# Altium PCB TAUV-Interfacer (DESKTOP-2772EO1's conflicted copy 2019-07-07).PcbDoc (part 1 of 3) (continued)
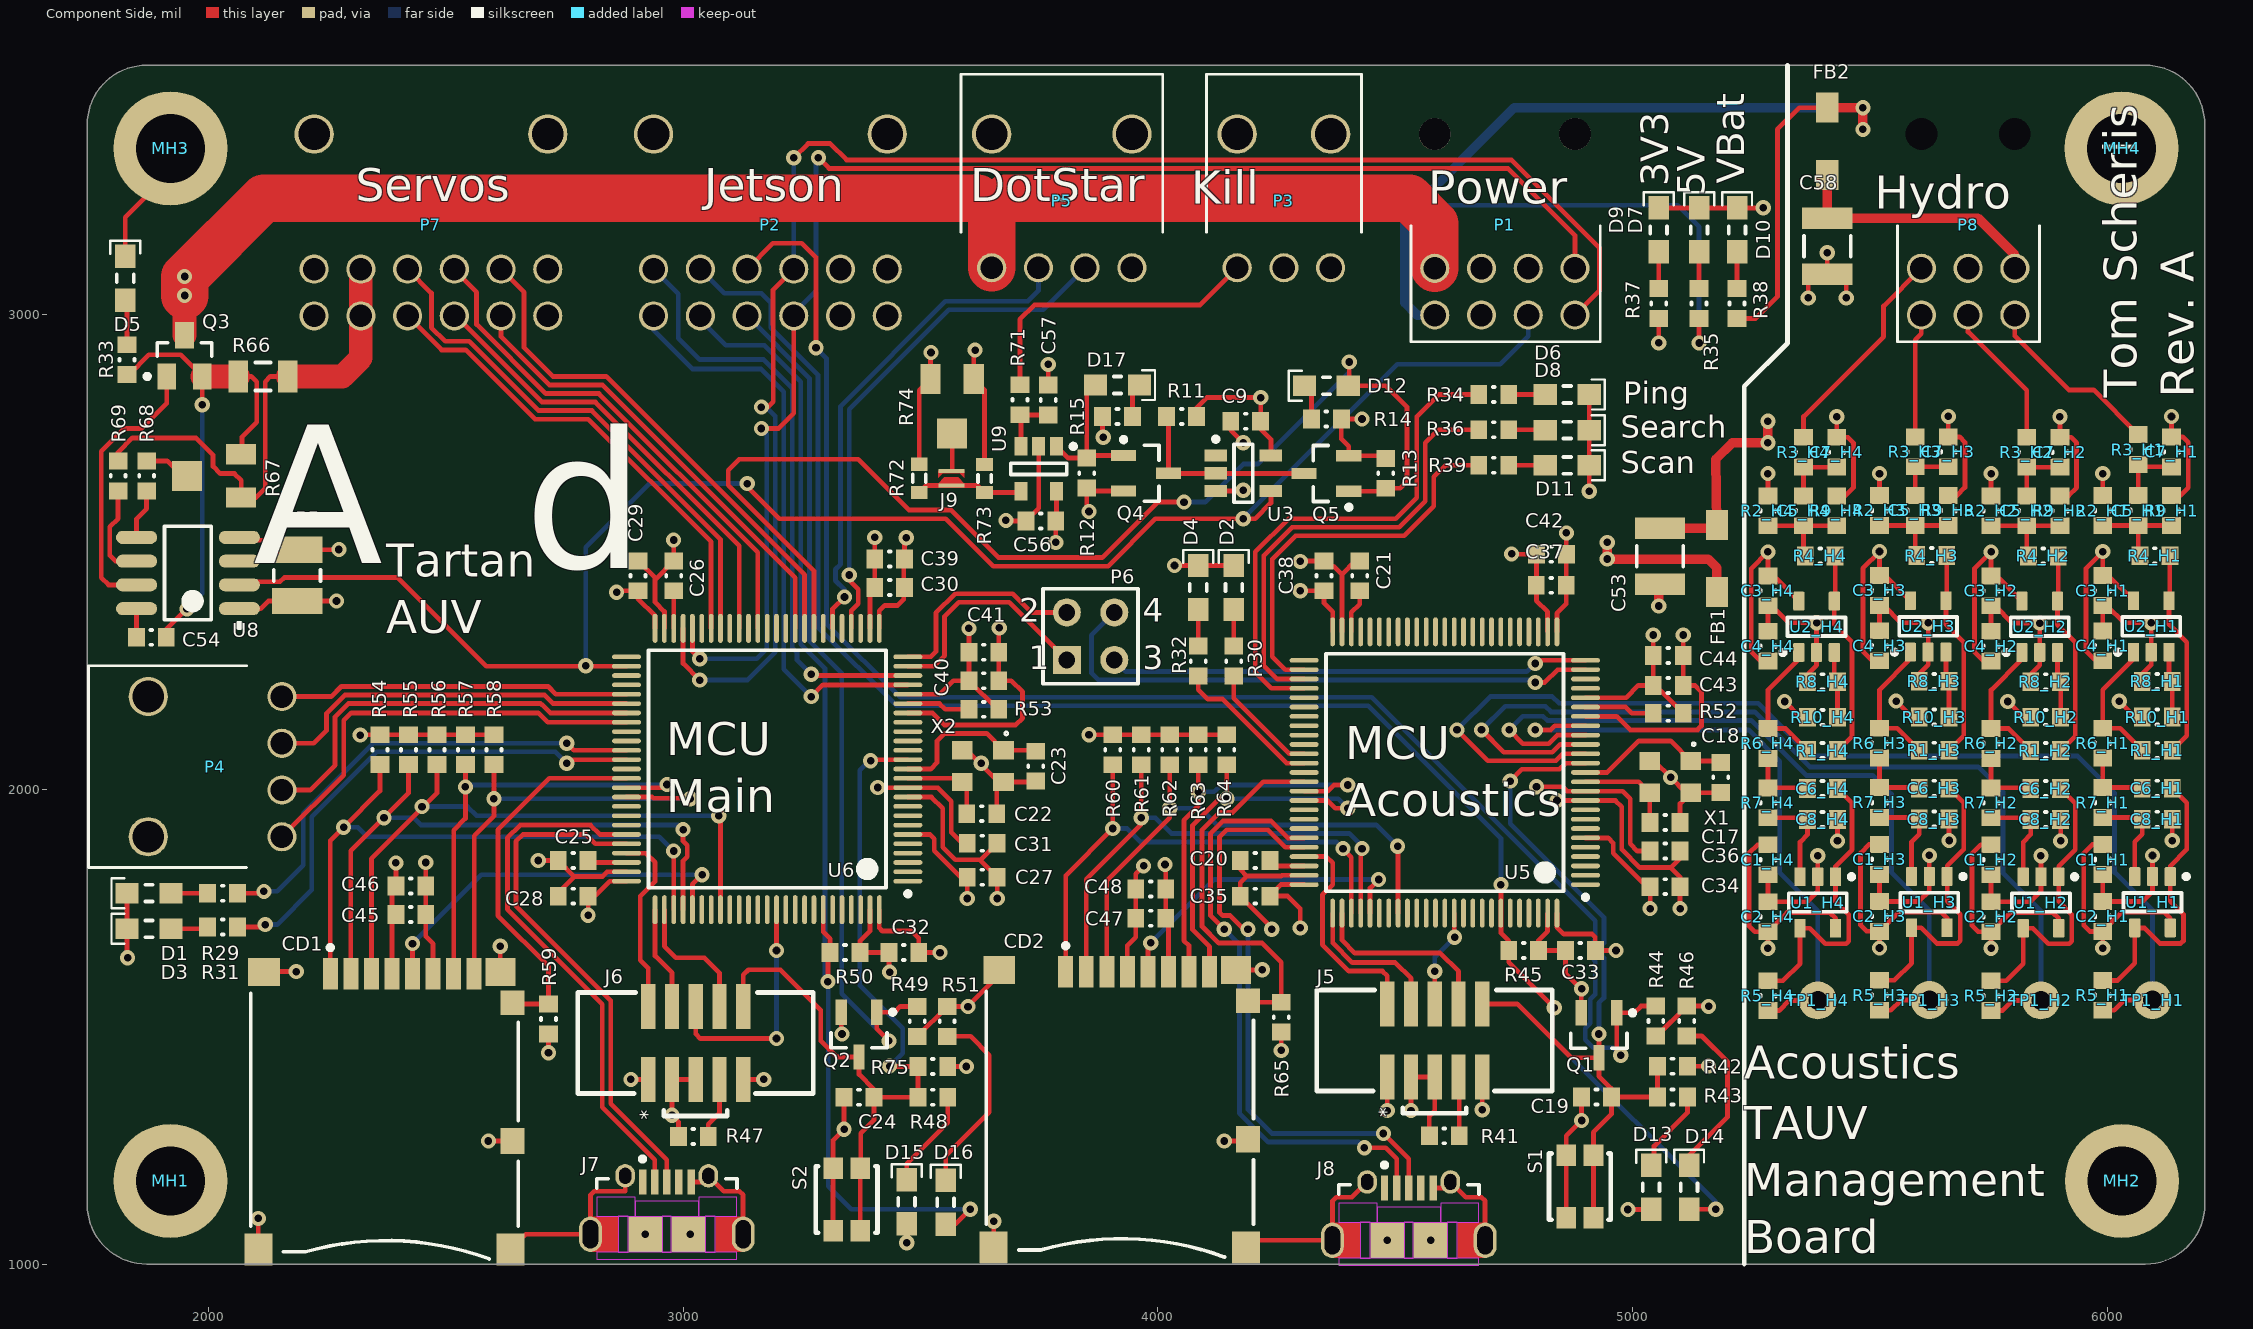
[diagram p0: Component Side view]
## Components (designator, comment, footprint, x,y, rotation, side; value= is the part's Value field where it differs from the comment) (continued)
D2 "LED BLUE" LED_0805 4160,2425 r270 top
D3 "LED GREEN" LED_0805 1875,1706.12 r0 top
D4 "LED GREEN" LED_0805 4085,2425 r270 top
D5 "LED GREEN" LED_0805 1825,3076.26 r270 top
D6 "LED YELLOW" LED_0805 4862.39,2831.5 r180 top
D7 "LED GREEN" LED_0805 5140,3178.3 r270 top
D8 "LED YELLOW" LED_0805 4862.39,2756.5 r180 top
D9 "LED GREEN" LED_0805 5054.82,3178.3 r270 top
D10 "LED GREEN" LED_0805 5220,3178.3 r270 top
D11 "LED GREEN" LED_0805 4862.39,2682.36 r180 top
D12 "LED RED" LED_0805 4355,2850 r0 top
D13 "LED RED" LED_0805 5038.94,1161.85 r270 top
D14 "LED RED" LED_0805 5118.94,1161.85 r270 top
D15 "LED RED" LED_0805 3470.98,1131.12 r270 top
D16 "LED RED" LED_0805 3553.01,1130 r270 top
D17 "LED RED" LED_0805 3915,2851.5 r180 top
FB1 "BLM31PG601SN1L" MURA-BLM31-B-CHIP-2_V 5177.62,2485.98 r90 top
FB2 "BLM31PG601SN1L" MURA-BLM31-B-CHIP-2_V 5410,3364.82 r270 top
J5 "JTAG 10POS 1.27" "5x2 JTAG SMD" 4834.8,1301.73 r90 top
J6 "JTAG 10POS 1.27" "5x2 JTAG SMD" 3278.23,1296.32 r90 top
J7 "ZX62D-AB-5P8" HIRO-ZX62D-AB-5P8_V 2965.73,1124.29 r0 top
J8 "ZX62D-AB-5P8" HIRO-ZX62D-AB-5P8_V 4528.5,1111.52 r0 top
J9 "(Closed)" "Solder Jumper - Closed" 3565,2670.51 r270 top
MH1 "#4-40" "Mounting Hole #4-40" 1920,1175 r0 top
MH2 "#4-40" "Mounting Hole #4-40" 6030.37,1175 r0 top
MH3 "#4-40" "Mounting Hole #4-40" 1920,3350 r0 top
MH4 "#4-40" "Mounting Hole #4-40" 6030,3350 r0 top
P1 "8-Pin 4x2 Molex Nano-Fit" "MOLEX NANO-FIT 2x4" 4583.23,2998.9 r0 top
P2 "12-Pin Molex Nano-Fit" "MOLEX NANO-FIT 2X6 - Right Angle" 3528.43,3095.55 r180 top
P3 "3-Pin Molex Nano-Fit" "MOLEX NANO-FIT 1X3" 4363.94,3098.5 r180 top
P4 "4-Pin Molex Nano-Fit" "MOLEX NANO-FIT 1X4" 2155,2195.28 r270 top
P5 "4-Pin Molex Nano-Fit" "MOLEX NANO-FIT 1X4" 3945.28,3098.5 r180 top
P6 "Header 2X2" HDR2X2 3808.23,2272.52 r0 top
P7 "12-Pin Molex Nano-Fit" "MOLEX NANO-FIT 2X6 - Right Angle" 2813.43,3095.55 r180 top
P8 "6-Pin Molex Nano-Fit" "MOLEX NANO-FIT 2X3 - RIGHT ANGLE" 5608.15,2998.9 r0 top
Q1 "2N7002" INF-PG-SOT23_M 4928.94,1481.85 r270 top
Q2 "2N7002" INF-PG-SOT23_M 3370.55,1483.37 r270 top
Q3 "FDN337N" FAIR-SSOT3L-3_V 1950,2912.89 r90 top
Q4 "2N7002" INF-PG-SOT23_M 3975,2665.59 r0 top
Q5 "2N7002" INF-PG-SOT23_M 4355,2665 r180 top
R1_H1 "4K12" RESC0603(1608)_N 6105,2082.09 r180 top value="4120.00 Ohm" (schematic designator R1)
R1_H2 "4K12" RESC0603(1608)_N 5870,2081.5 r180 top value="4120.00 Ohm" (schematic designator R1)
R1_H3 "4K12" RESC0603(1608)_N 5635,2082.24 r180 top value="4120.00 Ohm" (schematic designator R1)
R1_H4 "4K12" RESC0603(1608)_N 5400,2081.5 r180 top value="4120.00 Ohm" (schematic designator R1)
R2_H1 "3K24 1%" RESC0603(1608)_N 5990,2587.09 r90 top value="3240.00 Ohm" (schematic designator R2)
R2_H2 "3K24 1%" RESC0603(1608)_N 5755,2586.5 r90 top value="3240.00 Ohm" (schematic designator R2)
R2_H3 "3K24 1%" RESC0603(1608)_N 5520,2587.24 r90 top value="3240.00 Ohm" (schematic designator R2)
R2_H4 "3K24 1%" RESC0603(1608)_N 5285,2586.5 r90 top value="3240.00 Ohm" (schematic designator R2)
R3_H1 "270R" RESC0603(1608)_N 6065,2715.59 r270 top value="270.00 Ohm" (schematic designator R3)
R3_H2 "270R" RESC0603(1608)_N 5830,2710 r270 top value="270.00 Ohm" (schematic designator R3)
R3_H3 "270R" RESC0603(1608)_N 5595,2710.75 r270 top value="270.00 Ohm" (schematic designator R3)
R3_H4 "270R" RESC0603(1608)_N 5360,2710 r270 top value="270.00 Ohm" (schematic designator R3)
R4_H1 "10K" RESC0603(1608)_N 6100,2492.09 r0 top value="10000.00 Ohm" (schematic designator R4)
R4_H2 "10K" RESC0603(1608)_N 5865,2491.5 r0 top value="10000.00 Ohm" (schematic designator R4)
R4_H3 "10K" RESC0603(1608)_N 5630,2492.24 r0 top value="10000.00 Ohm" (schematic designator R4)
R4_H4 "10K" RESC0603(1608)_N 5395,2491.5 r0 top value="10000.00 Ohm" (schematic designator R4)
R5_H1 "270R" RESC0603(1608)_N 5990,1565.96 r270 top value="270.00 Ohm" (schematic designator R5)
R5_H2 "270R" RESC0603(1608)_N 5755,1565.37 r270 top value="270.00 Ohm" (schematic designator R5)
R5_H3 "270R" RESC0603(1608)_N 5520,1566.12 r270 top value="270.00 Ohm" (schematic designator R5)
R5_H4 "270R" RESC0603(1608)_N 5285,1565.37 r270 top value="270.00 Ohm" (schematic designator R5)
R6_H1 "42R2" RESC0603(1608)_N 5990,2097.09 r270 top value="42.20 Ohm" (schematic designator R6)
R6_H2 "42R2" RESC0603(1608)_N 5755,2096.5 r270 top value="42.20 Ohm" (schematic designator R6)
R6_H3 "42R2" RESC0603(1608)_N 5520,2097.24 r270 top value="42.20 Ohm" (schematic designator R6)
R6_H4 "42R2" RESC0603(1608)_N 5285,2096.5 r270 top value="42.20 Ohm" (schematic designator R6)
R7_H1 "42R2" RESC0603(1608)_N 5990,1972.09 r270 top value="42.20 Ohm" (schematic designator R7)
R7_H2 "42R2" RESC0603(1608)_N 5755,1971.5 r270 top value="42.20 Ohm" (schematic designator R7)
R7_H3 "42R2" RESC0603(1608)_N 5520,1972.24 r270 top value="42.20 Ohm" (schematic designator R7)
R7_H4 "42R2" RESC0603(1608)_N 5285,1971.5 r270 top value="42.20 Ohm" (schematic designator R7)
R8_H1 "10K" RESC0603(1608)_N 6105,2227.09 r0 top value="10000.00 Ohm" (schematic designator R8)
R8_H2 "10K" RESC0603(1608)_N 5870,2226.5 r0 top value="10000.00 Ohm" (schematic designator R8)
R8_H3 "10K" RESC0603(1608)_N 5635,2227.24 r0 top value="10000.00 Ohm" (schematic designator R8)
R8_H4 "10K" RESC0603(1608)_N 5400,2226.5 r0 top value="10000.00 Ohm" (schematic designator R8)
R9_H1 "3K24 1%" RESC0603(1608)_N 6135,2587.09 r270 top value="3240.00 Ohm" (schematic designator R9)
R9_H2 "3K24 1%" RESC0603(1608)_N 5900,2586.5 r270 top value="3240.00 Ohm" (schematic designator R9)
R9_H3 "3K24 1%" RESC0603(1608)_N 5665,2587.24 r270 top value="3240.00 Ohm" (schematic designator R9)
R9_H4 "3K24 1%" RESC0603(1608)_N 5430,2586.5 r270 top value="3240.00 Ohm" (schematic designator R9)
R10_H1 "10K" RESC0603(1608)_N 6105,2152.09 r0 top value="10000.00 Ohm" (schematic designator R10)
R10_H2 "10K" RESC0603(1608)_N 5870,2151.5 r0 top value="10000.00 Ohm" (schematic designator R10)
R10_H3 "10K" RESC0603(1608)_N 5635,2152.24 r0 top value="10000.00 Ohm" (schematic designator R10)
R10_H4 "10K" RESC0603(1608)_N 5400,2151.5 r0 top value="10000.00 Ohm" (schematic designator R10)
R11 "10K" RESC0603(1608)_N 4050,2785 r0 top value="10000.00 Ohm"
R12 "33K" RESC0603(1608)_N 3850,2666.06 r270 top value="33000.00 Ohm"
R13 "33K" RESC0603(1608)_N 4480,2665.51 r90 top value="33000.00 Ohm"
R14 "100R" RESC0603(1608)_N 4355,2780 r0 top value="100.00 Ohm"
R15 "100R" RESC0603(1608)_N 3915,2785 r180 top value="100.00 Ohm"
R29 "130R" RESC0603(1608)_N 2030,1781.24 r180 top value="130.00 Ohm"
R30 "130R" RESC0603(1608)_N 4160,2270 r90 top value="130.00 Ohm"
R31 "100R" RESC0603(1608)_N 2030,1710 r180 top value="100.00 Ohm"
R32 "100R" RESC0603(1608)_N 4085,2270 r90 top value="100.00 Ohm"
R33 "220R" RESC0603(1608)_N 1828.74,2905 r270 top value="220.00 Ohm"
R34 "100R" RESC0603(1608)_N 4707.39,2831.5 r0 top value="100.00 Ohm"
R35 "220R" RESC0603(1608)_N 5139.82,3023.3 r270 top value="220.00 Ohm"
R36 "100R" RESC0603(1608)_N 4707.39,2757.34 r0 top value="100.00 Ohm"
R37 "100R" RESC0603(1608)_N 5054.82,3023.3 r270 top value="100.00 Ohm"
R38 "1K2" RESC0603(1608)_N 5220,3023.3 r270 top value="1200.00 Ohm"
R39 "100R" RESC0603(1608)_N 4707.39,2682.36 r0 top value="100.00 Ohm"
R41 "10K" RESC0603(1608)_N 4603.31,1270 r0 top value="10000.00 Ohm"
R42 "10K" RESC0603(1608)_N 5083.94,1416.85 r0 top value="10000.00 Ohm"
R43 "100R" RESC0603(1608)_N 5083.94,1351.85 r180 top value="100.00 Ohm"
R44 "10K" RESC0603(1608)_N 5048.94,1511.85 r270 top value="10000.00 Ohm"
R45 "10K" RESC0603(1608)_N 4770.43,1660.49 r0 top value="10000.00 Ohm"
R46 "100R" RESC0603(1608)_N 5113.94,1511.85 r90 top value="100.00 Ohm"
R47 "10K" RESC0603(1608)_N 3021.65,1268.84 r0 top value="10000.00 Ohm"
R48 "100R" RESC0603(1608)_N 3526.06,1351.12 r180 top value="100.00 Ohm"
R49 "10K" RESC0603(1608)_N 3493.35,1511.12 r270 top value="10000.00 Ohm"
R50 "10K" RESC0603(1608)_N 3341.06,1656.12 r0 top value="10000.00 Ohm"
R51 "100R" RESC0603(1608)_N 3556.06,1511.12 r90 top value="100.00 Ohm"
R52 "47R" RESC0603(1608)_N 5075,2160 r180 top value="47.00 Ohm"
R53 "47R" RESC0603(1608)_N 3633.5,2168.33 r180 top value="47.00 Ohm"
R54 "47K" RESC0603(1608)_N 2361.58,2083.37 r90 top value="47000.00 Ohm"
R55 "47K" RESC0603(1608)_N 2421.58,2083.37 r90 top value="47000.00 Ohm"
R56 "47K" RESC0603(1608)_N 2481.58,2083.37 r90 top value="47000.00 Ohm"
R57 "47K" RESC0603(1608)_N 2541.58,2083.37 r90 top value="47000.00 Ohm"
R58 "47K" RESC0603(1608)_N 2601.58,2083.37 r90 top value="47000.00 Ohm"
R59 "10K" RESC0603(1608)_N 2716.58,1516.12 r270 top value="10000.00 Ohm"
R60 "47K" RESC0603(1608)_N 3905,2083.19 r90 top value="47000.00 Ohm"
R61 "47K" RESC0603(1608)_N 3965,2083.19 r90 top value="47000.00 Ohm"
R62 "47K" RESC0603(1608)_N 4025,2083.19 r90 top value="47000.00 Ohm"
R63 "47K" RESC0603(1608)_N 4085,2083.19 r90 top value="47000.00 Ohm"
R64 "47K" RESC0603(1608)_N 4145,2083.19 r90 top value="47000.00 Ohm"
R65 "10K" RESC0603(1608)_N 4260,1520 r270 top value="10000.00 Ohm"
R66 "MCS1632R050FER" RESC3216X62X50LL20T20 2115,2869.59 r180 top
R67 "22AR100KLFTR" "TT BI 22A TRIM POT" 2069.17,2660 r90 top value=100k
R68 "1K 1% 0603(1608)" RESC0603(1608)_N 1870,2660 r90 top value="1000.00 Ohm"
R69 "330R 1% 0603(1608)" RESC0603(1608)_N 1810,2660 r90 top value="330.00 Ohm"
R71 "33K" RESC0603(1608)_N 3709.53,2820.47 r270 top value="33000.00 Ohm"
R72 "Res3" J1-0603 3497.44,2655 r270 top value=DNP
R73 "Res3" J1-0603 3635,2654.53 r90 top value=DNP
R74 "22AR100KLFTR" "TT BI 22A TRIM POT" 3566.65,2863.85 r180 top value=100k
R75 "10K" RESC0603(1608)_N 3526.06,1416.12 r0 top value="10000.00 Ohm"
S1 "tact switch" EVP-AA202K 4888.94,1163.11 r270 top
S2 "tact switch" EVP-AA202K 3344.49,1136.12 r270 top
TP1_H1 "Test Point Loop" "Test Point Loop - Black" 6095,1555.96 r90 top (schematic designator TP1)
TP1_H2 "Test Point Loop" "Test Point Loop - Black" 5860,1555.37 r90 top (schematic designator TP1)
TP1_H3 "Test Point Loop" "Test Point Loop - Black" 5625,1556.12 r90 top (schematic designator TP1)
TP1_H4 "Test Point Loop" "Test Point Loop - Black" 5390,1555.37 r90 top (schematic designator TP1)
U1_H1 "LMC7101AIM5X" DBV0005A_N 6095,1762.09 r270 top (schematic designator U1)
U1_H2 "LMC7101AIM5X" DBV0005A_N 5860,1761.5 r270 top (schematic designator U1)
U1_H3 "LMC7101AIM5X" DBV0005A_N 5625,1762.24 r270 top (schematic designator U1)
U1_H4 "LMC7101AIM5X" DBV0005A_N 5390,1761.5 r270 top (schematic designator U1)
U2_H1 "LMC7101AIM5X" DBV0005A_N 6092.4,2342.95 r90 top (schematic designator U2)
U2_H2 "LMC7101AIM5X" DBV0005A_N 5857.4,2342.36 r90 top (schematic designator U2)
U2_H3 "LMC7101AIM5X" DBV0005A_N 5622.4,2343.11 r90 top (schematic designator U2)
U2_H4 "LMC7101AIM5X" DBV0005A_N 5387.4,2342.36 r90 top (schematic designator U2)
U3 "SN74LVC1G17DBVR" DBV0005A_M 4180,2665.59 r0 top
U5 "STM32F746VGT7" STM-LQFP100_L 4604.37,2035.41 r180 top
U6 "STM32F746VGT7" STM-LQFP100_L 3177.13,2042.7 r180 top
U8 "MIC5021YM" MICL-SOICN-8LD-PL-1_V 1957.07,2455.49 r180 top
U9 "TS391SN2T1G" ONSC-TSOP-5-483-02_V 3748.98,2675 r270 top
X1 "7M-25.000MEEQ-T" OSCSC320X250X100N 5079.33,2026.08 r270 top
X2 "7M-25.000MEEQ-T" OSCSC320X250X100N 3631.5,2048.68 r270 top

## Footprints (in the part's own frame and the unit in brackets; to place one, negate y for a bottom-side part, rotate by r counter-clockwise, add the part's x,y. Pads: shape width x height; smd on the part's side, far side on the other; paste and mask are expansions set on the pad)
"5x2 JTAG SMD" [mm]
  rect 2.4x0.76 smd: 1(2.35,8.93) 2(6.25,8.93) 3(2.35,7.66) 4(6.25,7.66) 5(2.35,6.39) 6(6.25,6.39) 7(2.35,5.12) 8(6.25,5.12) 9(2.35,3.85) 10(6.25,3.85)
  silkscreen extent 0.4,0.1 7,12.7, body extent 1.55,0.07 7.05,12.72, height 5.6
CAPC0603(1608)100_N [mm] "Chip Capacitor, Body 1.6x0.8mm, Height 1.0mm, IPC Medium Density"
  rect 0.9x1 smd: 1(-0.8,0) 2(0.8,0)
  silkscreen extent -0.05,-0.4 0.05,0.4, body extent -0.87,-0.48 0.88,0.47, height 1
CAPC1210(3225)100_N [mm] "Chip Capacitor, Body 3.2x2.5mm, Height 1mm, IPC Medium Density"
  rect 1.15x2.7 smd: 1(-1.5,0) 2(1.5,0)
  silkscreen extent -0.55,-1.25 0.55,1.25, body extent -1.7,-1.35 1.7,1.35, height 1
CAPC1210(3225)220_N [mm] "Chip Capacitor, Body 3.2x2.5mm, Height 2.2mm, IPC Medium Density"
  rect 1.4x2.7 smd: 1(-1.375,0) 2(1.375,0)
  silkscreen extent -0.3,-1.25 0.3,1.25, body extent -1.7,-1.35 1.7,1.35, height 2.2
DBV0005A_M [mm] "SOT23, 5-Leads, Body 3.05x1.75mm, Pitch 0.95mm, IPC Low Density"
  rect 1.2x0.65 smd: 1(-1.475,0.95) 2(-1.475,0) 3(-1.475,-0.95) 4(1.475,-0.95) 5(1.475,0.95)
  silkscreen extent -1.6,-1.55 0.5,1.95, body extent -1.42,-1.46 1.42,1.46, height 1.08
DBV0005A_N [mm] "SOT23, 5-Leads, Body 3.05x1.75mm, Pitch 0.95mm, IPC Medium Density"
  rrect17% 1x0.6 smd: 1(-1.375,0.95) 2(-1.375,0) 3(-1.375,-0.95) 4(1.375,-0.95) 5(1.375,0.95)
  silkscreen extent -1.5,-1.55 0.5,1.93, body extent -1.42,-1.46 1.42,1.46, height 1.08
EVP-AA202K [mm] "Momentary Switch SMT SPST-NO EVP-AA series"
  rect 1.15x1.05 smd: 1(-1.675,0.725) 1(1.675,0.725) 2(-1.675,-0.725) 2(1.675,-0.725)
  silkscreen extent -1.78,-1.65 1.78,1.65, body extent -2.16,-1.55 2.14,1.56, height 1.7
FAIR-SSOT3L-3_V [mm] "SOT23, 3-Leads, Body 2.92x1.4mm, Pitch 0.95mm"
  rect 1.4x1 smd: 1(-1.1,0.95) 2(-1.1,-0.95) 3(1.1,0)
  silkscreen extent -1.22,-1.46 0.7,2.12, body extent -1.26,-1.46 1.26,1.46, height 1.12
HDR2X2 [mm] "Connector; Header; 2x2 Position"
  rect 1.5x1.5 hole 0.9: 1(0,0)
  round 1.5 hole 0.9: 2(0,2.54) 3(2.54,0) 4(2.54,2.54)
  silkscreen extent -1.27,-1.27 3.81,3.81
HIRO-ZX62D-AB-5P8_V [mm] "USB Micro-AB Connector, 5-Leads, Pitch 0.65mm"
  rect 0.4x1.35 smd: 1(-1.3,1.238) 2(-0.65,1.238) 3(0,1.238) 4(0.65,1.238) 5(1.3,1.238)
  oval 1.05x1.25 hole 0.65 slot 0.85 at 90 deg: 6(2.225,1.563) 11(-2.225,1.563)
  oval 1.225x1.9 hole 0.825 slot 1.5 at 90 deg: 7(4.088,-1.562) 10(-4.088,-1.562)
  rect 1.8x1.9 smd: 8(1.15,-1.562) 9(-1.15,-1.562)
  Component Side region: 2.6,-2.512 4.088,-2.512 4.088,-0.612 2.6,-0.612
  Component Side region: -4.088,-2.513 -2.6,-2.513 -2.6,-0.613 -4.088,-0.613
  Component Side keep-out region: -3.75,-0.602 -1.7,-0.602 -1.7,0.413 -3.75,0.413
  Component Side keep-out region: -1.7,-0.603 1.7,-0.603 1.7,0.213 -1.7,0.213
  Component Side keep-out region: 1.7,-0.603 3.75,-0.603 3.75,0.413 1.7,0.413
  Component Side keep-out region: -3.75,-2.887 3.75,-2.887 3.75,-2.523 -3.75,-2.523
  Component Side keep-out region: -2.59,-2.522 -2.06,-2.522 -2.06,-0.602 -2.59,-0.602
  Component Side keep-out region: -0.24,-2.522 0.24,-2.522 0.24,-0.602 -0.24,-0.602
  Component Side keep-out region: 2.59,-0.602 2.06,-0.602 2.06,-2.522 2.59,-2.522
  silkscreen extent -3.75,0.91 3.75,2.59, body extent -4.37,-4.19 4.37,1.86, height 2.83
INF-PG-SOT23_M [mm] "SOT23, 3-Leads, Body 2.9x1.3mm, Pitch 0.95mm, IPC Low Density"
  rect 1.35x0.6 smd: 1(-1.2,0.95) 2(-1.2,-0.95) 3(1.2,0)
  silkscreen extent -1.32,-1.5 0.7,1.93, body extent -0.7,-1.5 0.7,1.5, height 1.1
J1-0603 [mm] "Chip Resistor, Body 1.6x0.8mm, IPC High Density"
  rect 0.7x0.9 smd: 1(-0.75,0) 2(0.75,0)
  silkscreen extent -0.2,-0.35 0.2,0.35, body extent -0.85,-0.48 0.85,0.48, height 0.9
LED_0805 [mm] "Liteon 0805 Chip LED"
  rect 1.25x1.1 smd: 1(-1.175,0) 2(1.175,0)
  silkscreen extent -2.01,-0.8 0.2,0.8, body extent -1,-0.63 1,0.63, height 0.8
MICL-SOICN-8LD-PL-1_V [mm] "SOIC, 8-Leads, Body 5x4mm, Pitch 1.27mm"
  oval 2.2x0.7 smd: 1(-2.75,1.905) 2(-2.75,0.635) 3(-2.75,-0.635) 4(-2.75,-1.905) 5(2.75,-1.905) 6(2.75,-0.635) 7(2.75,0.635) 8(2.75,1.905)
  silkscreen extent -2.88,-2.5 1.25,2.93, body extent -3.01,-2.44 3.01,2.45, height 1.73
"MOLEX NANO-FIT 1X3" [mm]
  round 1.56 hole 1.2: 1(0,0) 2(2.5,0) 3(5,0)
  round 2.1 hole 1.7: ""(0,-7.15) ""(5,-7.15)
  silkscreen extent -1.65,-10.35 6.65,-1.9, body extent -2.6,-26.11 10.97,0.32, height 7.56
"MOLEX NANO-FIT 1X4" [mm]
  round 1.56 hole 1.2: 1(0,0) 2(2.5,0) 3(5,0) 4(7.5,0)
  round 2.1 hole 1.7: ""(0,-7.15) ""(7.5,-7.15)
  silkscreen extent -1.65,-10.35 9.15,-1.9, body extent -2.65,-26.07 10.05,0.22, height 7.56
"MOLEX NANO-FIT 2X3 - RIGHT ANGLE" [mm] "MOLEX NANO-FIT 2X3 - Right Angle"
  round 1.56 hole 1.2: 1(0,0) 2(2.5,0) 3(5,0) 4(0,2.5) 5(2.5,2.5) 6(5,2.5)
  round 0 hole 1.7: ""(0,9.68) ""(5,9.68)
  silkscreen extent -1.28,-1.43 6.32,4.77, body extent -2.6,-0.32 7.6,28.85, height 10.01
"MOLEX NANO-FIT 2x4" [mm] "MOLEX NANO-FIT 2X4"
  round 1.56 hole 1.2: 1(0,0) 2(2.5,0) 3(5,0) 4(7.5,0) 5(0,2.5) 6(2.5,2.5) 7(5,2.5) 8(7.5,2.5)
  round 1.7 hole 1.7: ""(0,9.68) ""(7.5,9.68)
  silkscreen extent -1.28,-1.43 8.85,4.77, body extent -2.6,-0.44 10.1,29.85, height 10.71
"MOLEX NANO-FIT 2X6 - Right Angle" [mm]
  round 1.56 hole 1.2: 1(15,2.5) 2(12.5,2.5) 3(10,2.5) 4(7.5,2.5) 5(5,2.5) 6(2.5,2.5) 7(15,0) 8(12.5,0) 9(10,0) 10(7.5,0) 11(5,0) 12(2.5,0)
  round 2.1 hole 1.7: ""(2.5,-7.225) ""(15,-7.225)
  body extent -0.2,-28.97 17.5,2.78, height 9.98
MOLX-502774-0891_V [mm] "SMD, 14-Leads, Body 15x14.3mm, Pitch 1.1mm"
  rect 0.8x1.68 smd: 1(-2.9,7.385) 2(-1.8,7.385) 3(-0.7,7.385) 4(0.4,7.385) 5(1.5,7.385) 6(2.6,7.385) 7(3.7,7.385) 8(4.8,7.385)
  rect 1.29x1.3 smd: 9(6.855,5.825)
  rect 1.29x1.4 smd: 10(6.855,-1.575)
  rect 1.5x1.7 smd: 11(6.75,-7.375) 12(-6.75,-7.375)
  rect 1.7x1.5 smd: 13(-6.45,7.475)
  rect 1.6x1.5 smd: 14(6.21,7.475)
  silkscreen extent -7.15,-7.88 7.15,8.9, body extent -7.15,-8 7.15,8, height 1.78
"Mounting Hole #4-40" [mm] "Mounting Hole for ANSI #4-40 w/ Flat Washer, Loose Fit"
  round 6.1 hole 3.7: 0(0,0)
MURA-BLM31-B-CHIP-2_V [mm] "Chip Ferrite Bead, 2-Leads, Body 3.2x1.6mm, Height 1.3mm"
  rect 1.6x1.2 smd: 1(-1.8,0) 2(1.8,0)
  body extent -1.6,-0.8 1.6,0.8, height 1.3
ONSC-TSOP-5-483-02_V [mm] "SOP, 5-Leads, Body 3x1.5mm, Pitch 0.95mm"
  rect 1x0.7 smd: 1(-1.2,0.95) 2(-1.2,0) 3(-1.2,-0.95) 4(1.2,-0.95) 5(1.2,0.95)
  silkscreen extent -1.32,-1.5 0.3,1.98, body extent -0.75,-1.5 0.75,1.5, height 1.1
OSCSC320X250X100N [mm]
  rect 0.98x1.1 smd: 1(-0.85,1.1) 2(-0.85,-1.1) 3(0.85,-1.1) 4(0.85,1.1)
  silkscreen extent -1.84,1.16 -1.66,1.34, body extent -1.24,-1.6 1.24,1.6, height 0.99
RESC0603(1608)_N [mm] "Chip Resistor, Body 1.6x0.8mm, IPC Medium Density"
  rect 0.9x1 smd: 1(-0.8,0) 2(0.8,0)
  silkscreen extent -0.05,-0.4 0.05,0.4, body extent -0.85,-0.47 0.85,0.47, height 0.6
RESC3216X62X50LL20T20 [mm] "Chip Resistor, 2-Leads, Body 3.40x1.80mm, IPC High Density"
  rect 1.05x1.7 smd: 1(-1.325,0) 2(1.325,0)
  silkscreen extent -0.4,-0.75 0.4,0.75, body extent -1.7,-0.9 1.7,0.9, height 0.62
"Solder Jumper - Closed" [mm]
  rect 0.2x1.4 smd paste+0: 1(0,0) 2(0.775,0)
  Component Side region: 0.35,0.375 0.675,0.7 0.675,-0.7 0.35,-0.375
  Component Side region: 0.375,-0.7 0,-0.7 0,0.7 0.375,0.7 0.125,0.45 0.125,-0.45
STM-LQFP100_L [mm] "Thin QFP, 100-Leads, Body 14x14mm, Pitch 0.5mm, IPC High Density"
  oval 1.55x0.25 smd: 1(-7.525,6) 2(-7.525,5.5) 3(-7.525,5) 4(-7.525,4.5) 5(-7.525,4) 6(-7.525,3.5) 7(-7.525,3) 8(-7.525,2.5) 9(-7.525,2) 10(-7.525,1.5) 11(-7.525,1) 12(-7.525,0.5) 13(-7.525,0) 14(-7.525,-0.5) 15(-7.525,-1) 16(-7.525,-1.5) 17(-7.525,-2) 18(-7.525,-2.5) 19(-7.525,-3) 20(-7.525,-3.5) 21(-7.525,-4) 22(-7.525,-4.5) 23(-7.525,-5) 24(-7.525,-5.5) 25(-7.525,-6) 51(7.525,-6) 52(7.525,-5.5) 53(7.525,-5) 54(7.525,-4.5) 55(7.525,-4) 56(7.525,-3.5) 57(7.525,-3) 58(7.525,-2.5) 59(7.525,-2) 60(7.525,-1.5) 61(7.525,-1) 62(7.525,-0.5) 63(7.525,0) 64(7.525,0.5) 65(7.525,1) 66(7.525,1.5) 67(7.525,2) 68(7.525,2.5) 69(7.525,3) 70(7.525,3.5) 71(7.525,4) 72(7.525,4.5) 73(7.525,5) 74(7.525,5.5) 75(7.525,6)
  oval 0.25x1.55 smd: 26(-6,-7.525) 27(-5.5,-7.525) 28(-5,-7.525) 29(-4.5,-7.525) 30(-4,-7.525) 31(-3.5,-7.525) 32(-3,-7.525) 33(-2.5,-7.525) 34(-2,-7.525) 35(-1.5,-7.525) 36(-1,-7.525) 37(-0.5,-7.525) 38(0,-7.525) 39(0.5,-7.525) 40(1,-7.525) 41(1.5,-7.525) 42(2,-7.525) 43(2.5,-7.525) 44(3,-7.525) 45(3.5,-7.525) 46(4,-7.525) 47(4.5,-7.525) 48(5,-7.525) 49(5.5,-7.525) 50(6,-7.525) 76(6,7.525) 77(5.5,7.525) 78(5,7.525) 79(4.5,7.525) 80(4,7.525) 81(3.5,7.525) 82(3,7.525) 83(2.5,7.525) 84(2,7.525) 85(1.5,7.525) 86(1,7.525) 87(0.5,7.525) 88(0,7.525) 89(-0.5,7.525) 90(-1,7.525) 91(-1.5,7.525) 92(-2,7.525) 93(-2.5,7.525) 94(-3,7.525) 95(-3.5,7.525) 96(-4,7.525) 97(-4.5,7.525) 98(-5,7.525) 99(-5.5,7.525) 100(-6,7.525)
  silkscreen extent -7.65,-6.35 6.35,6.8, body extent -7,-7 7,7, height 1.6
"Test Point Loop - Black" [mil] ", black"
  round 80 hole 40: 1(0,0)
  body extent -50,-50 50,50, height 180
"TT BI 22A TRIM POT" [mm] "Model 22A (22AR100KLFTR)"
  rect 1.09x1.6 smd: 1(1.155,0) 3(-1.155,0)
  rect 1.6x1.6 smd: 2(0,2.9)
  body extent -1.6,-0.38 1.6,3.13, height 2.22
